# KiCad board EOutside.kicad_pcb
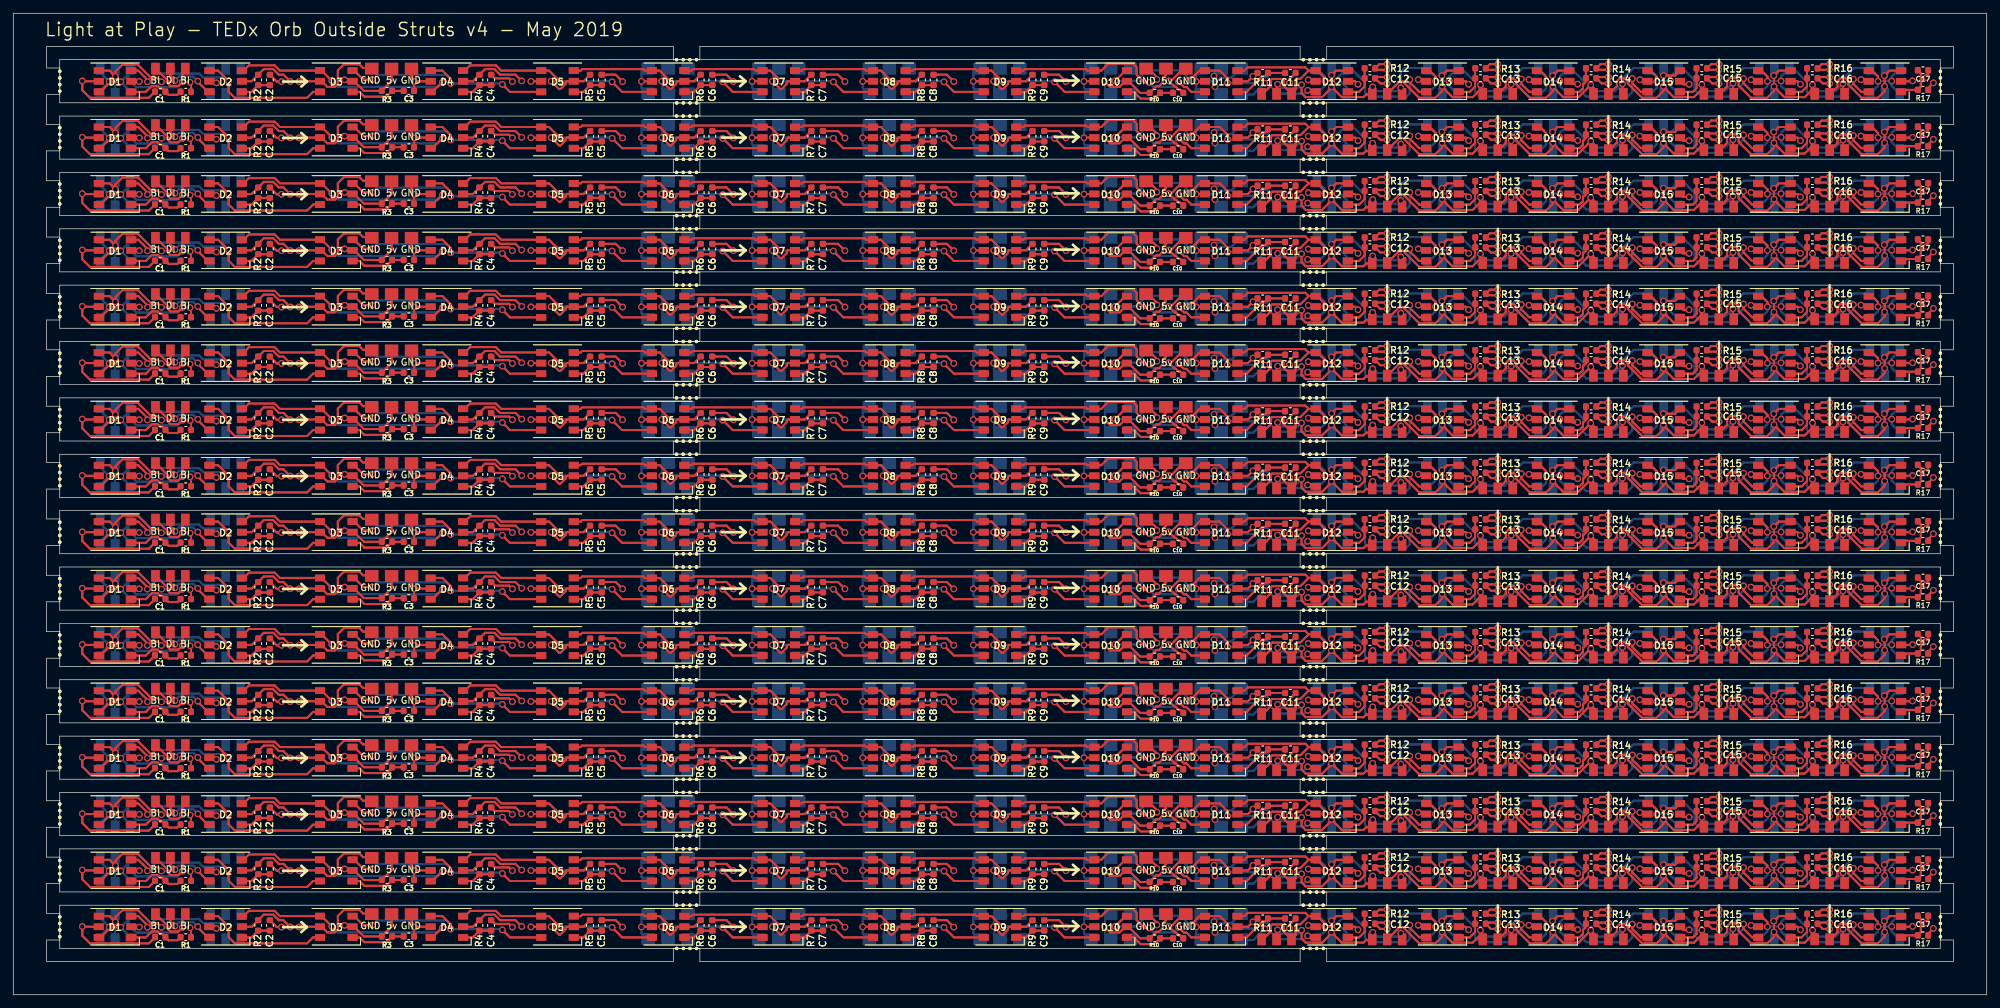
[diagram p0: board, top side]
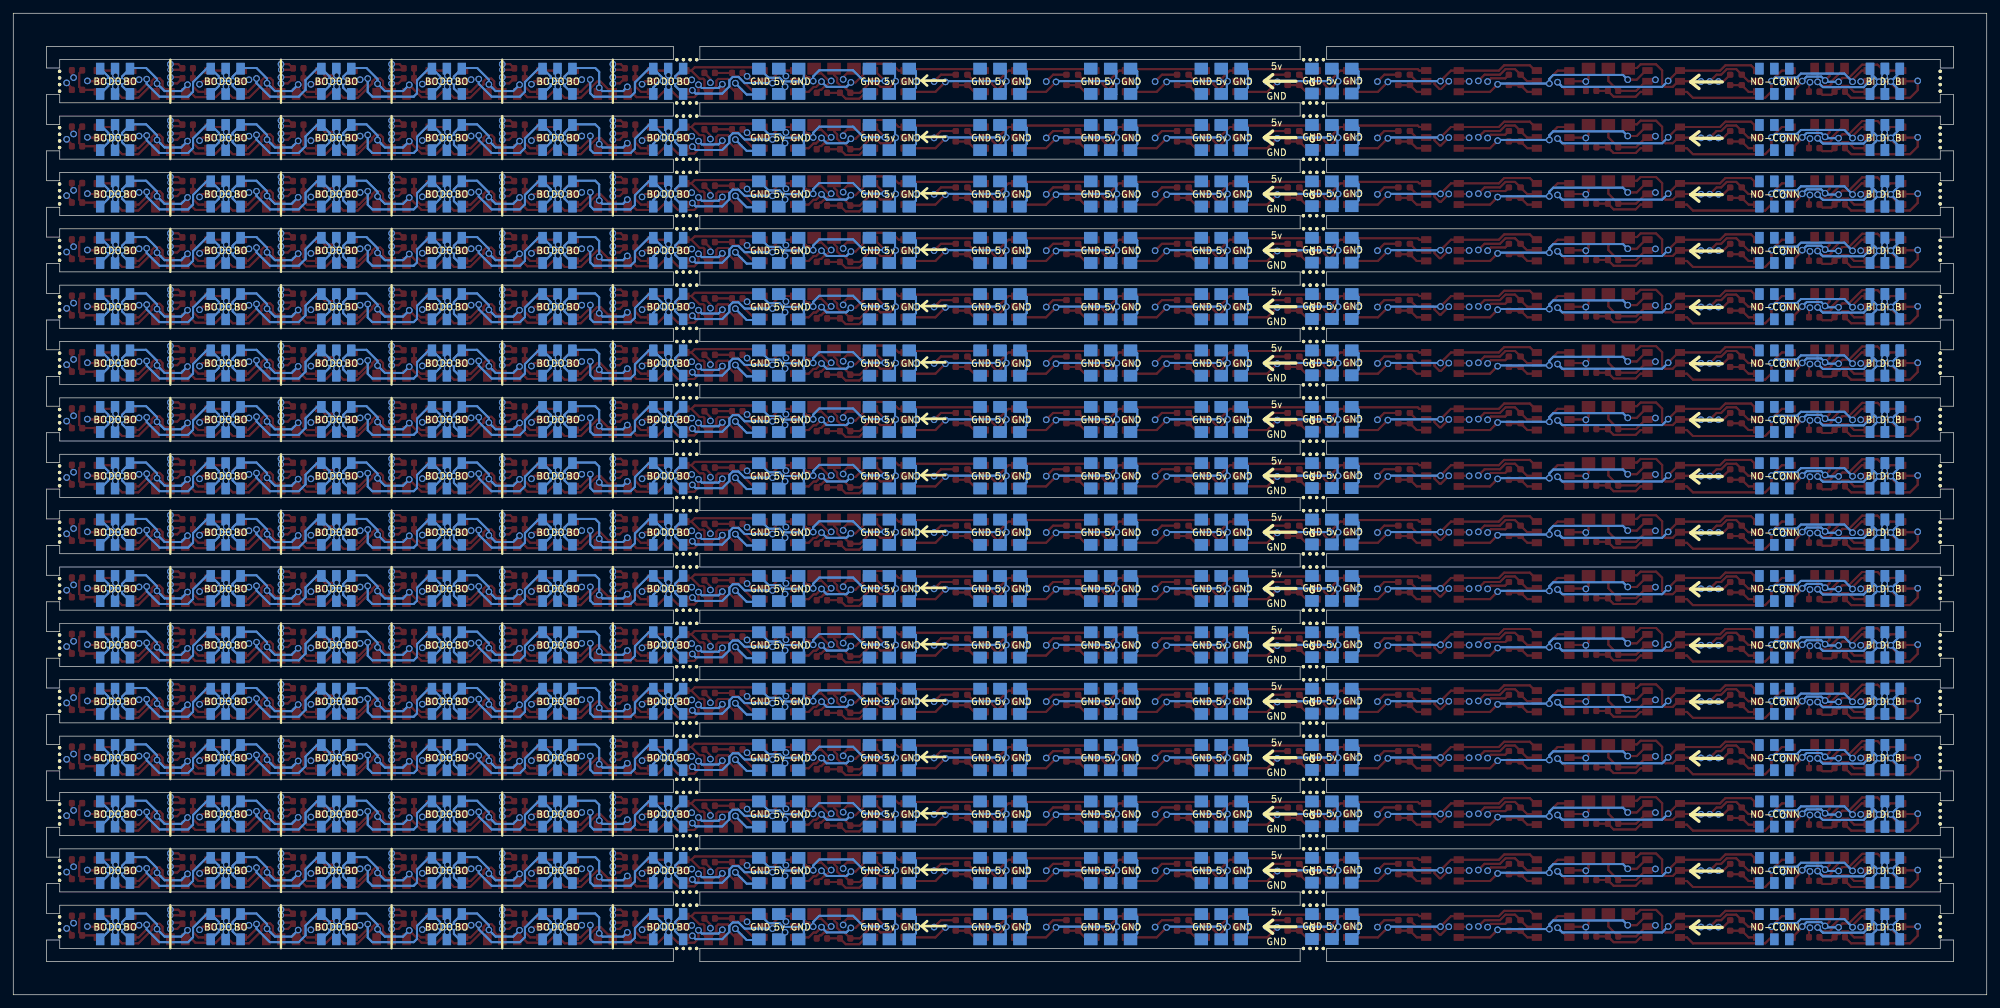
[diagram p1: board, bottom side, seen from below]

Outline 297.33 x 148 mm; copper layers: Top, In1.Cu (plane), In2.Cu (plane), Bottom. Coordinates in mm from the lower left corner of the outline.
Outline path: 0,148 0,0 297.33,0 297.33,148 0,148 ; 5,143 99.45,143 99.45,141 7,141 7,139.75 5,139.75 5,143 ; 5,135.75 7,135.75 7,134.5 99.45,134.5 99.45,132.5 7,132.5 7,131.25 5,131.25 5,135.75 ; 5,127.25 7,127.25 7,126 99.45,126 99.45,124 7,124 7,122.75 5,122.75 5,127.25 ; 5,118.75 7,118.75 7,117.5 99.45,117.5 99.45,115.5 7,115.5 7,114.25 5,114.25 5,118.75 ; 5,110.25 7,110.25 7,109 99.45,109 99.45,107 7,107 7,105.75 5,105.75 5,110.25 ; 5,101.75 7,101.75 7,100.5 99.45,100.5 99.45,98.5 7,98.5 7,97.25 5,97.25 5,101.75 ; 5,93.25 7,93.25 7,92 99.45,92 99.45,90 7,90 7,88.75 5,88.75 5,93.25 ; 5,84.75 7,84.75 7,83.5 99.45,83.5 99.45,81.5 7,81.5 7,80.25 5,80.25 5,84.75 ; 5,76.25 7,76.25 7,75 99.45,75 99.45,73 7,73 7,71.75 5,71.75 5,76.25 ; 5,67.75 7,67.75 7,66.5 99.45,66.5 99.45,64.5 7,64.5 7,63.25 5,63.25 5,67.75 ; 5,59.25 7,59.25 7,58 99.45,58 99.45,56 7,56 7,54.75 5,54.75 5,59.25 ; 5,50.75 7,50.75 7,49.5 99.45,49.5 99.45,47.5 7,47.5 7,46.25 5,46.25 5,50.75 ; 5,42.25 7,42.25 7,41 99.45,41 99.45,39 7,39 7,37.75 5,37.75 5,42.25 ; 5,33.75 7,33.75 7,32.5 99.45,32.5 99.45,30.5 7,30.5 7,29.25 5,29.25 5,33.75 ; 5,25.25 7,25.25 7,24 99.45,24 99.45,22 7,22 7,20.75 5,20.75 5,25.25 ; 5,16.75 7,16.75 7,15.5 99.45,15.5 99.45,13.5 7,13.5 7,12.25 5,12.25 5,16.75 ; 5,8.25 7,8.25 7,7 99.45,7 99.45,5 5,5 5,8.25 ; 103.45,143 193.89,143 193.89,141 103.45,141 103.45,143 ; 103.45,134.5 193.89,134.5 193.89,132.5 103.45,132.5 103.45,134.5 ; 103.45,126 193.89,126 193.89,124 103.45,124 103.45,126 ; 103.45,117.5 193.89,117.5 193.89,115.5 103.45,115.5 103.45,117.5 ; 103.45,109 193.89,109 193.89,107 103.45,107 103.45,109 ; 103.45,100.5 193.89,100.5 193.89,98.5 103.45,98.5 103.45,100.5 ; 103.45,92 193.89,92 193.89,90 103.45,90 103.45,92 ; 103.45,83.5 193.89,83.5 193.89,81.5 103.45,81.5 103.45,83.5 ; 103.45,75 193.89,75 193.89,73 103.45,73 103.45,75 ; 103.45,66.5 193.89,66.5 193.89,64.5 103.45,64.5 103.45,66.5 ; 103.45,58 193.89,58 193.89,56 103.45,56 103.45,58 ; 103.45,49.5 193.89,49.5 193.89,47.5 103.45,47.5 103.45,49.5 ; 103.45,41 193.89,41 193.89,39 103.45,39 103.45,41 ; 103.45,32.5 193.89,32.5 193.89,30.5 103.45,30.5 103.45,32.5 ; 103.45,24 193.89,24 193.89,22 103.45,22 103.45,24 ; 103.45,15.5 193.89,15.5 193.89,13.5 103.45,13.5 103.45,15.5 ; 103.45,7 193.89,7 193.89,5 103.45,5 103.45,7 ; 197.89,143 292.33,143 292.33,139.75 290.33,139.75 290.33,141 197.89,141 197.89,143 ; 197.89,134.5 290.33,134.5 290.33,135.75 292.33,135.75 292.33,131.25 290.33,131.25 290.33,132.5 197.89,132.5 197.89,134.5 ; 197.89,126 290.33,126 290.33,127.25 292.33,127.25 292.33,122.75 290.33,122.75 290.33,124 197.89,124 197.89,126 ; 197.89,117.5 290.33,117.5 290.33,118.75 292.33,118.75 292.33,114.25 290.33,114.25 290.33,115.5 197.89,115.5 197.89,117.5 ; 197.89,109 290.33,109 290.33,110.25 292.33,110.25 292.33,105.75 290.33,105.75 290.33,107 197.89,107 197.89,109 ; 197.89,100.5 290.33,100.5 290.33,101.75 292.33,101.75 292.33,97.25 290.33,97.25 290.33,98.5 197.89,98.5 197.89,100.5 ; 197.89,92 290.33,92 290.33,93.25 292.33,93.25 292.33,88.75 290.33,88.75 290.33,90 197.89,90 197.89,92 ; 197.89,83.5 290.33,83.5 290.33,84.75 292.33,84.75 292.33,80.25 290.33,80.25 290.33,81.5 197.89,81.5 197.89,83.5 ; 197.89,75 290.33,75 290.33,76.25 292.33,76.25 292.33,71.75 290.33,71.75 290.33,73 197.89,73 197.89,75 ; 197.89,66.5 290.33,66.5 290.33,67.75 292.33,67.75 292.33,63.25 290.33,63.25 290.33,64.5 197.89,64.5 197.89,66.5 ; 197.89,58 290.33,58 290.33,59.25 292.33,59.25 292.33,54.75 290.33,54.75 290.33,56 197.89,56 197.89,58 ; 197.89,49.5 290.33,49.5 290.33,50.75 292.33,50.75 292.33,46.25 290.33,46.25 290.33,47.5 197.89,47.5 197.89,49.5 ; 197.89,41 290.33,41 290.33,42.25 292.33,42.25 292.33,37.75 290.33,37.75 290.33,39 197.89,39 197.89,41 ; 197.89,32.5 290.33,32.5 290.33,33.75 292.33,33.75 292.33,29.25 290.33,29.25 290.33,30.5 197.89,30.5 197.89,32.5 ; 197.89,24 290.33,24 290.33,25.25 292.33,25.25 292.33,20.75 290.33,20.75 290.33,22 197.89,22 197.89,24 ; 197.89,15.5 290.33,15.5 290.33,16.75 292.33,16.75 292.33,12.25 290.33,12.25 290.33,13.5 197.89,13.5 197.89,15.5 ; 197.89,7 290.33,7 290.33,8.25 292.33,8.25 292.33,5 197.89,5 197.89,7

## Placement (name value [footprint] x y rotation side)
C1  .1uF  [C_0603_1608Metric]  22.14 136.18 180 top
C1#2  .1uF  [C_0603_1608Metric]  22.14 127.68 180 top
C1#3  .1uF  [C_0603_1608Metric]  22.14 119.18 180 top
C1#4  .1uF  [C_0603_1608Metric]  22.14 110.68 180 top
C1#5  .1uF  [C_0603_1608Metric]  22.14 119.18 180 top
C1#6  .1uF  [C_0603_1608Metric]  22.14 110.68 180 top
C1#7  .1uF  [C_0603_1608Metric]  22.14 136.18 180 top
C1#8  .1uF  [C_0603_1608Metric]  22.14 127.68 180 top
C1#9  .1uF  [C_0603_1608Metric]  22.14 85.18 180 top
C1#10  .1uF  [C_0603_1608Metric]  22.14 76.68 180 top
C1#11  .1uF  [C_0603_1608Metric]  22.14 102.18 180 top
C1#12  .1uF  [C_0603_1608Metric]  22.14 102.18 180 top
C1#13  .1uF  [C_0603_1608Metric]  22.14 76.68 180 top
C1#14  .1uF  [C_0603_1608Metric]  22.14 85.18 180 top
C1#15  .1uF  [C_0603_1608Metric]  22.14 93.68 180 top
C1#16  .1uF  [C_0603_1608Metric]  22.14 93.68 180 top
C1#17  .1uF  [C_0603_1608Metric]  22.14 59.68 180 top
C1#18  .1uF  [C_0603_1608Metric]  22.14 68.18 180 top
C1#19  .1uF  [C_0603_1608Metric]  22.14 42.68 180 top
C1#20  .1uF  [C_0603_1608Metric]  22.14 51.18 180 top
C1#21  .1uF  [C_0603_1608Metric]  22.14 68.18 180 top
C1#22  .1uF  [C_0603_1608Metric]  22.14 51.18 180 top
C1#23  .1uF  [C_0603_1608Metric]  22.14 42.68 180 top
C1#24  .1uF  [C_0603_1608Metric]  22.14 59.68 180 top
C1#25  .1uF  [C_0603_1608Metric]  22.14 8.68 180 top
C1#26  .1uF  [C_0603_1608Metric]  22.14 34.18 180 top
C1#27  .1uF  [C_0603_1608Metric]  22.14 8.68 180 top
C1#28  .1uF  [C_0603_1608Metric]  22.14 17.18 180 top
C1#29  .1uF  [C_0603_1608Metric]  22.14 25.68 180 top
C1#30  .1uF  [C_0603_1608Metric]  22.14 34.18 180 top
C1#31  .1uF  [C_0603_1608Metric]  22.14 17.18 180 top
C1#32  .1uF  [C_0603_1608Metric]  22.14 25.68 180 top
C2  .1uF  [C_0603_1608Metric]  38.66 137.95 90 top
C2#2  .1uF  [C_0603_1608Metric]  38.66 129.45 90 top
C2#3  .1uF  [C_0603_1608Metric]  38.66 112.45 90 top
C2#4  .1uF  [C_0603_1608Metric]  38.66 120.95 90 top
C2#5  .1uF  [C_0603_1608Metric]  38.66 112.45 90 top
C2#6  .1uF  [C_0603_1608Metric]  38.66 120.95 90 top
C2#7  .1uF  [C_0603_1608Metric]  38.66 129.45 90 top
C2#8  .1uF  [C_0603_1608Metric]  38.66 137.95 90 top
C2#9  .1uF  [C_0603_1608Metric]  38.66 78.45 90 top
C2#10  .1uF  [C_0603_1608Metric]  38.66 86.95 90 top
C2#11  .1uF  [C_0603_1608Metric]  38.66 78.45 90 top
C2#12  .1uF  [C_0603_1608Metric]  38.66 95.45 90 top
C2#13  .1uF  [C_0603_1608Metric]  38.66 103.95 90 top
C2#14  .1uF  [C_0603_1608Metric]  38.66 103.95 90 top
C2#15  .1uF  [C_0603_1608Metric]  38.66 95.45 90 top
C2#16  .1uF  [C_0603_1608Metric]  38.66 86.95 90 top
C2#17  .1uF  [C_0603_1608Metric]  38.66 44.45 90 top
C2#18  .1uF  [C_0603_1608Metric]  38.66 61.45 90 top
C2#19  .1uF  [C_0603_1608Metric]  38.66 69.95 90 top
C2#20  .1uF  [C_0603_1608Metric]  38.66 44.45 90 top
C2#21  .1uF  [C_0603_1608Metric]  38.66 69.95 90 top
C2#22  .1uF  [C_0603_1608Metric]  38.66 61.45 90 top
C2#23  .1uF  [C_0603_1608Metric]  38.66 52.95 90 top
C2#24  .1uF  [C_0603_1608Metric]  38.66 52.95 90 top
C2#25  .1uF  [C_0603_1608Metric]  38.66 35.95 90 top
C2#26  .1uF  [C_0603_1608Metric]  38.66 10.45 90 top
C2#27  .1uF  [C_0603_1608Metric]  38.66 18.95 90 top
C2#28  .1uF  [C_0603_1608Metric]  38.66 35.95 90 top
C2#29  .1uF  [C_0603_1608Metric]  38.66 27.45 90 top
C2#30  .1uF  [C_0603_1608Metric]  38.66 10.45 90 top
C2#31  .1uF  [C_0603_1608Metric]  38.66 27.45 90 top
C2#32  .1uF  [C_0603_1608Metric]  38.66 18.95 90 top
C3  .1uF  [C_0603_1608Metric]  59.6 136.3 0 top
C3#2  .1uF  [C_0603_1608Metric]  59.6 127.8 0 top
C3#3  .1uF  [C_0603_1608Metric]  59.6 110.8 0 top
C3#4  .1uF  [C_0603_1608Metric]  59.6 119.3 0 top
C3#5  .1uF  [C_0603_1608Metric]  59.6 110.8 0 top
C3#6  .1uF  [C_0603_1608Metric]  59.6 119.3 0 top
C3#7  .1uF  [C_0603_1608Metric]  59.6 127.8 0 top
C3#8  .1uF  [C_0603_1608Metric]  59.6 136.3 0 top
C3#9  .1uF  [C_0603_1608Metric]  59.6 76.8 0 top
C3#10  .1uF  [C_0603_1608Metric]  59.6 85.3 0 top
C3#11  .1uF  [C_0603_1608Metric]  59.6 76.8 0 top
C3#12  .1uF  [C_0603_1608Metric]  59.6 93.8 0 top
C3#13  .1uF  [C_0603_1608Metric]  59.6 102.3 0 top
C3#14  .1uF  [C_0603_1608Metric]  59.6 102.3 0 top
C3#15  .1uF  [C_0603_1608Metric]  59.6 93.8 0 top
C3#16  .1uF  [C_0603_1608Metric]  59.6 85.3 0 top
C3#17  .1uF  [C_0603_1608Metric]  59.6 42.8 0 top
C3#18  .1uF  [C_0603_1608Metric]  59.6 59.8 0 top
C3#19  .1uF  [C_0603_1608Metric]  59.6 68.3 0 top
C3#20  .1uF  [C_0603_1608Metric]  59.6 68.3 0 top
C3#21  .1uF  [C_0603_1608Metric]  59.6 59.8 0 top
C3#22  .1uF  [C_0603_1608Metric]  59.6 42.8 0 top
C3#23  .1uF  [C_0603_1608Metric]  59.6 51.3 0 top
C3#24  .1uF  [C_0603_1608Metric]  59.6 51.3 0 top
C3#25  .1uF  [C_0603_1608Metric]  59.6 34.3 0 top
C3#26  .1uF  [C_0603_1608Metric]  59.6 8.8 0 top
C3#27  .1uF  [C_0603_1608Metric]  59.6 17.3 0 top
C3#28  .1uF  [C_0603_1608Metric]  59.6 25.8 0 top
C3#29  .1uF  [C_0603_1608Metric]  59.6 25.8 0 top
C3#30  .1uF  [C_0603_1608Metric]  59.6 34.3 0 top
C3#31  .1uF  [C_0603_1608Metric]  59.6 8.8 0 top
C3#32  .1uF  [C_0603_1608Metric]  59.6 17.3 0 top
C4  .1uF  [C_0603_1608Metric]  71.99 137.95 90 top
C4#2  .1uF  [C_0603_1608Metric]  71.99 129.45 90 top
C4#3  .1uF  [C_0603_1608Metric]  71.99 112.45 90 top
C4#4  .1uF  [C_0603_1608Metric]  71.99 120.95 90 top
C4#5  .1uF  [C_0603_1608Metric]  71.99 112.45 90 top
C4#6  .1uF  [C_0603_1608Metric]  71.99 120.95 90 top
C4#7  .1uF  [C_0603_1608Metric]  71.99 129.45 90 top
C4#8  .1uF  [C_0603_1608Metric]  71.99 137.95 90 top
C4#9  .1uF  [C_0603_1608Metric]  71.99 78.45 90 top
C4#10  .1uF  [C_0603_1608Metric]  71.99 86.95 90 top
C4#11  .1uF  [C_0603_1608Metric]  71.99 78.45 90 top
C4#12  .1uF  [C_0603_1608Metric]  71.99 95.45 90 top
C4#13  .1uF  [C_0603_1608Metric]  71.99 103.95 90 top
C4#14  .1uF  [C_0603_1608Metric]  71.99 103.95 90 top
C4#15  .1uF  [C_0603_1608Metric]  71.99 95.45 90 top
C4#16  .1uF  [C_0603_1608Metric]  71.99 86.95 90 top
C4#17  .1uF  [C_0603_1608Metric]  71.99 44.45 90 top
C4#18  .1uF  [C_0603_1608Metric]  71.99 61.45 90 top
C4#19  .1uF  [C_0603_1608Metric]  71.99 69.95 90 top
C4#20  .1uF  [C_0603_1608Metric]  71.99 69.95 90 top
C4#21  .1uF  [C_0603_1608Metric]  71.99 61.45 90 top
C4#22  .1uF  [C_0603_1608Metric]  71.99 52.95 90 top
C4#23  .1uF  [C_0603_1608Metric]  71.99 44.45 90 top
C4#24  .1uF  [C_0603_1608Metric]  71.99 52.95 90 top
C4#25  .1uF  [C_0603_1608Metric]  71.99 35.95 90 top
C4#26  .1uF  [C_0603_1608Metric]  71.99 27.45 90 top
C4#27  .1uF  [C_0603_1608Metric]  71.99 10.45 90 top
C4#28  .1uF  [C_0603_1608Metric]  71.99 18.95 90 top
C4#29  .1uF  [C_0603_1608Metric]  71.99 27.45 90 top
C4#30  .1uF  [C_0603_1608Metric]  71.99 35.95 90 top
C4#31  .1uF  [C_0603_1608Metric]  71.99 18.95 90 top
C4#32  .1uF  [C_0603_1608Metric]  71.99 10.45 90 top
C5  .1uF  [C_0603_1608Metric]  88.66 137.95 90 top
C5#2  .1uF  [C_0603_1608Metric]  88.66 129.45 90 top
C5#3  .1uF  [C_0603_1608Metric]  88.66 112.45 90 top
C5#4  .1uF  [C_0603_1608Metric]  88.66 120.95 90 top
C5#5  .1uF  [C_0603_1608Metric]  88.66 112.45 90 top
C5#6  .1uF  [C_0603_1608Metric]  88.66 120.95 90 top
C5#7  .1uF  [C_0603_1608Metric]  88.66 129.45 90 top
C5#8  .1uF  [C_0603_1608Metric]  88.66 137.95 90 top
C5#9  .1uF  [C_0603_1608Metric]  88.66 78.45 90 top
C5#10  .1uF  [C_0603_1608Metric]  88.66 86.95 90 top
C5#11  .1uF  [C_0603_1608Metric]  88.66 78.45 90 top
C5#12  .1uF  [C_0603_1608Metric]  88.66 95.45 90 top
C5#13  .1uF  [C_0603_1608Metric]  88.66 103.95 90 top
C5#14  .1uF  [C_0603_1608Metric]  88.66 95.45 90 top
C5#15  .1uF  [C_0603_1608Metric]  88.66 103.95 90 top
C5#16  .1uF  [C_0603_1608Metric]  88.66 86.95 90 top
C5#17  .1uF  [C_0603_1608Metric]  88.66 61.45 90 top
C5#18  .1uF  [C_0603_1608Metric]  88.66 44.45 90 top
C5#19  .1uF  [C_0603_1608Metric]  88.66 61.45 90 top
C5#20  .1uF  [C_0603_1608Metric]  88.66 69.95 90 top
C5#21  .1uF  [C_0603_1608Metric]  88.66 69.95 90 top
C5#22  .1uF  [C_0603_1608Metric]  88.66 52.95 90 top
C5#23  .1uF  [C_0603_1608Metric]  88.66 52.95 90 top
C5#24  .1uF  [C_0603_1608Metric]  88.66 44.45 90 top
C5#25  .1uF  [C_0603_1608Metric]  88.66 10.45 90 top
C5#26  .1uF  [C_0603_1608Metric]  88.66 35.95 90 top
C5#27  .1uF  [C_0603_1608Metric]  88.66 27.45 90 top
C5#28  .1uF  [C_0603_1608Metric]  88.66 27.45 90 top
C5#29  .1uF  [C_0603_1608Metric]  88.66 18.95 90 top
C5#30  .1uF  [C_0603_1608Metric]  88.66 35.95 90 top
C5#31  .1uF  [C_0603_1608Metric]  88.66 10.45 90 top
C5#32  .1uF  [C_0603_1608Metric]  88.66 18.95 90 top
C6  .1uF  [C_0603_1608Metric]  105.33 137.95 90 top
C6#2  .1uF  [C_0603_1608Metric]  105.33 129.45 90 top
C6#3  .1uF  [C_0603_1608Metric]  105.33 120.95 90 top
C6#4  .1uF  [C_0603_1608Metric]  105.33 112.45 90 top
C6#5  .1uF  [C_0603_1608Metric]  105.33 120.95 90 top
C6#6  .1uF  [C_0603_1608Metric]  105.33 112.45 90 top
C6#7  .1uF  [C_0603_1608Metric]  105.33 137.95 90 top
C6#8  .1uF  [C_0603_1608Metric]  105.33 129.45 90 top
C6#9  .1uF  [C_0603_1608Metric]  105.33 86.95 90 top
C6#10  .1uF  [C_0603_1608Metric]  105.33 78.45 90 top
C6#11  .1uF  [C_0603_1608Metric]  105.33 78.45 90 top
C6#12  .1uF  [C_0603_1608Metric]  105.33 103.95 90 top
C6#13  .1uF  [C_0603_1608Metric]  105.33 103.95 90 top
C6#14  .1uF  [C_0603_1608Metric]  105.33 95.45 90 top
C6#15  .1uF  [C_0603_1608Metric]  105.33 86.95 90 top
C6#16  .1uF  [C_0603_1608Metric]  105.33 95.45 90 top
C6#17  .1uF  [C_0603_1608Metric]  105.33 44.45 90 top
C6#18  .1uF  [C_0603_1608Metric]  105.33 69.95 90 top
C6#19  .1uF  [C_0603_1608Metric]  105.33 61.45 90 top
C6#20  .1uF  [C_0603_1608Metric]  105.33 61.45 90 top
C6#21  .1uF  [C_0603_1608Metric]  105.33 69.95 90 top
C6#22  .1uF  [C_0603_1608Metric]  105.33 52.95 90 top
C6#23  .1uF  [C_0603_1608Metric]  105.33 52.95 90 top
C6#24  .1uF  [C_0603_1608Metric]  105.33 44.45 90 top
C6#25  .1uF  [C_0603_1608Metric]  105.33 10.45 90 top
C6#26  .1uF  [C_0603_1608Metric]  105.33 27.45 90 top
C6#27  .1uF  [C_0603_1608Metric]  105.33 10.45 90 top
C6#28  .1uF  [C_0603_1608Metric]  105.33 35.95 90 top
C6#29  .1uF  [C_0603_1608Metric]  105.33 27.45 90 top
C6#30  .1uF  [C_0603_1608Metric]  105.33 18.95 90 top
C6#31  .1uF  [C_0603_1608Metric]  105.33 35.95 90 top
C6#32  .1uF  [C_0603_1608Metric]  105.33 18.95 90 top
C7  .1uF  [C_0603_1608Metric]  121.99 137.95 90 top
C7#2  .1uF  [C_0603_1608Metric]  121.99 129.45 90 top
C7#3  .1uF  [C_0603_1608Metric]  121.99 120.95 90 top
C7#4  .1uF  [C_0603_1608Metric]  121.99 112.45 90 top
C7#5  .1uF  [C_0603_1608Metric]  121.99 120.95 90 top
C7#6  .1uF  [C_0603_1608Metric]  121.99 112.45 90 top
C7#7  .1uF  [C_0603_1608Metric]  121.99 137.95 90 top
C7#8  .1uF  [C_0603_1608Metric]  121.99 129.45 90 top
C7#9  .1uF  [C_0603_1608Metric]  121.99 86.95 90 top
C7#10  .1uF  [C_0603_1608Metric]  121.99 78.45 90 top
C7#11  .1uF  [C_0603_1608Metric]  121.99 78.45 90 top
C7#12  .1uF  [C_0603_1608Metric]  121.99 103.95 90 top
C7#13  .1uF  [C_0603_1608Metric]  121.99 103.95 90 top
C7#14  .1uF  [C_0603_1608Metric]  121.99 95.45 90 top
C7#15  .1uF  [C_0603_1608Metric]  121.99 86.95 90 top
C7#16  .1uF  [C_0603_1608Metric]  121.99 95.45 90 top
C7#17  .1uF  [C_0603_1608Metric]  121.99 44.45 90 top
C7#18  .1uF  [C_0603_1608Metric]  121.99 69.95 90 top
C7#19  .1uF  [C_0603_1608Metric]  121.99 44.45 90 top
C7#20  .1uF  [C_0603_1608Metric]  121.99 61.45 90 top
C7#21  .1uF  [C_0603_1608Metric]  121.99 61.45 90 top
C7#22  .1uF  [C_0603_1608Metric]  121.99 69.95 90 top
C7#23  .1uF  [C_0603_1608Metric]  121.99 52.95 90 top
C7#24  .1uF  [C_0603_1608Metric]  121.99 52.95 90 top
C7#25  .1uF  [C_0603_1608Metric]  121.99 10.45 90 top
C7#26  .1uF  [C_0603_1608Metric]  121.99 27.45 90 top
C7#27  .1uF  [C_0603_1608Metric]  121.99 10.45 90 top
C7#28  .1uF  [C_0603_1608Metric]  121.99 35.95 90 top
C7#29  .1uF  [C_0603_1608Metric]  121.99 27.45 90 top
C7#30  .1uF  [C_0603_1608Metric]  121.99 18.95 90 top
C7#31  .1uF  [C_0603_1608Metric]  121.99 35.95 90 top
C7#32  .1uF  [C_0603_1608Metric]  121.99 18.95 90 top
C8  .1uF  [C_0603_1608Metric]  138.66 137.95 90 top
C8#2  .1uF  [C_0603_1608Metric]  138.66 129.45 90 top
C8#3  .1uF  [C_0603_1608Metric]  138.66 120.95 90 top
C8#4  .1uF  [C_0603_1608Metric]  138.66 112.45 90 top
C8#5  .1uF  [C_0603_1608Metric]  138.66 120.95 90 top
C8#6  .1uF  [C_0603_1608Metric]  138.66 112.45 90 top
C8#7  .1uF  [C_0603_1608Metric]  138.66 137.95 90 top
C8#8  .1uF  [C_0603_1608Metric]  138.66 129.45 90 top
C8#9  .1uF  [C_0603_1608Metric]  138.66 86.95 90 top
C8#10  .1uF  [C_0603_1608Metric]  138.66 78.45 90 top
C8#11  .1uF  [C_0603_1608Metric]  138.66 78.45 90 top
C8#12  .1uF  [C_0603_1608Metric]  138.66 103.95 90 top
C8#13  .1uF  [C_0603_1608Metric]  138.66 103.95 90 top
C8#14  .1uF  [C_0603_1608Metric]  138.66 95.45 90 top
C8#15  .1uF  [C_0603_1608Metric]  138.66 86.95 90 top
C8#16  .1uF  [C_0603_1608Metric]  138.66 95.45 90 top
C8#17  .1uF  [C_0603_1608Metric]  138.66 52.95 90 top
C8#18  .1uF  [C_0603_1608Metric]  138.66 44.45 90 top
C8#19  .1uF  [C_0603_1608Metric]  138.66 69.95 90 top
C8#20  .1uF  [C_0603_1608Metric]  138.66 61.45 90 top
C8#21  .1uF  [C_0603_1608Metric]  138.66 69.95 90 top
C8#22  .1uF  [C_0603_1608Metric]  138.66 52.95 90 top
C8#23  .1uF  [C_0603_1608Metric]  138.66 61.45 90 top
C8#24  .1uF  [C_0603_1608Metric]  138.66 44.45 90 top
C8#25  .1uF  [C_0603_1608Metric]  138.66 10.45 90 top
C8#26  .1uF  [C_0603_1608Metric]  138.66 27.45 90 top
C8#27  .1uF  [C_0603_1608Metric]  138.66 10.45 90 top
C8#28  .1uF  [C_0603_1608Metric]  138.66 18.95 90 top
C8#29  .1uF  [C_0603_1608Metric]  138.66 35.95 90 top
C8#30  .1uF  [C_0603_1608Metric]  138.66 27.45 90 top
C8#31  .1uF  [C_0603_1608Metric]  138.66 35.95 90 top
C8#32  .1uF  [C_0603_1608Metric]  138.66 18.95 90 top
C9  .1uF  [C_0603_1608Metric]  155.33 137.95 90 top
C9#2  .1uF  [C_0603_1608Metric]  155.33 129.45 90 top
C9#3  .1uF  [C_0603_1608Metric]  155.33 120.95 90 top
C9#4  .1uF  [C_0603_1608Metric]  155.33 112.45 90 top
C9#5  .1uF  [C_0603_1608Metric]  155.33 120.95 90 top
C9#6  .1uF  [C_0603_1608Metric]  155.33 112.45 90 top
C9#7  .1uF  [C_0603_1608Metric]  155.33 137.95 90 top
C9#8  .1uF  [C_0603_1608Metric]  155.33 129.45 90 top
C9#9  .1uF  [C_0603_1608Metric]  155.33 86.95 90 top
C9#10  .1uF  [C_0603_1608Metric]  155.33 78.45 90 top
C9#11  .1uF  [C_0603_1608Metric]  155.33 78.45 90 top
C9#12  .1uF  [C_0603_1608Metric]  155.33 103.95 90 top
C9#13  .1uF  [C_0603_1608Metric]  155.33 103.95 90 top
C9#14  .1uF  [C_0603_1608Metric]  155.33 95.45 90 top
C9#15  .1uF  [C_0603_1608Metric]  155.33 86.95 90 top
C9#16  .1uF  [C_0603_1608Metric]  155.33 95.45 90 top
C9#17  .1uF  [C_0603_1608Metric]  155.33 52.95 90 top
C9#18  .1uF  [C_0603_1608Metric]  155.33 44.45 90 top
C9#19  .1uF  [C_0603_1608Metric]  155.33 69.95 90 top
C9#20  .1uF  [C_0603_1608Metric]  155.33 61.45 90 top
C9#21  .1uF  [C_0603_1608Metric]  155.33 69.95 90 top
C9#22  .1uF  [C_0603_1608Metric]  155.33 52.95 90 top
C9#23  .1uF  [C_0603_1608Metric]  155.33 61.45 90 top
C9#24  .1uF  [C_0603_1608Metric]  155.33 44.45 90 top
C9#25  .1uF  [C_0603_1608Metric]  155.33 10.45 90 top
C9#26  .1uF  [C_0603_1608Metric]  155.33 27.45 90 top
C9#27  .1uF  [C_0603_1608Metric]  155.33 10.45 90 top
C9#28  .1uF  [C_0603_1608Metric]  155.33 18.95 90 top
C9#29  .1uF  [C_0603_1608Metric]  155.33 35.95 90 top
C9#30  .1uF  [C_0603_1608Metric]  155.33 35.95 90 top
C9#31  .1uF  [C_0603_1608Metric]  155.33 18.95 90 top
C9#32  .1uF  [C_0603_1608Metric]  155.33 27.45 90 top
C10  .1uF  [C_0603_1608Metric]  175.5 136 0 top
C10#2  .1uF  [C_0603_1608Metric]  175.5 127.5 0 top
C10#3  .1uF  [C_0603_1608Metric]  175.5 119 0 top
C10#4  .1uF  [C_0603_1608Metric]  175.5 110.5 0 top
C10#5  .1uF  [C_0603_1608Metric]  175.5 119 0 top
C10#6  .1uF  [C_0603_1608Metric]  175.5 136 0 top
C10#7  .1uF  [C_0603_1608Metric]  175.5 127.5 0 top
C10#8  .1uF  [C_0603_1608Metric]  175.5 110.5 0 top
C10#9  .1uF  [C_0603_1608Metric]  175.5 85 0 top
C10#10  .1uF  [C_0603_1608Metric]  175.5 102 0 top
C10#11  .1uF  [C_0603_1608Metric]  175.5 93.5 0 top
C10#12  .1uF  [C_0603_1608Metric]  175.5 76.5 0 top
C10#13  .1uF  [C_0603_1608Metric]  175.5 102 0 top
C10#14  .1uF  [C_0603_1608Metric]  175.5 93.5 0 top
C10#15  .1uF  [C_0603_1608Metric]  175.5 85 0 top
C10#16  .1uF  [C_0603_1608Metric]  175.5 76.5 0 top
C10#17  .1uF  [C_0603_1608Metric]  175.5 59.5 0 top
C10#18  .1uF  [C_0603_1608Metric]  175.5 51 0 top
C10#19  .1uF  [C_0603_1608Metric]  175.5 68 0 top
C10#20  .1uF  [C_0603_1608Metric]  175.5 42.5 0 top
C10#21  .1uF  [C_0603_1608Metric]  175.5 59.5 0 top
C10#22  .1uF  [C_0603_1608Metric]  175.5 68 0 top
C10#23  .1uF  [C_0603_1608Metric]  175.5 51 0 top
C10#24  .1uF  [C_0603_1608Metric]  175.5 42.5 0 top
C10#25  .1uF  [C_0603_1608Metric]  175.5 8.5 0 top
C10#26  .1uF  [C_0603_1608Metric]  175.5 8.5 0 top
C10#27  .1uF  [C_0603_1608Metric]  175.5 25.5 0 top
C10#28  .1uF  [C_0603_1608Metric]  175.5 17 0 top
C10#29  .1uF  [C_0603_1608Metric]  175.5 34 0 top
C10#30  .1uF  [C_0603_1608Metric]  175.5 25.5 0 top
C10#31  .1uF  [C_0603_1608Metric]  175.5 34 0 top
C10#32  .1uF  [C_0603_1608Metric]  175.5 17 0 top
C11  .1uF  [C_0603_1608Metric]  192.42 139 0 top
C11#2  .1uF  [C_0603_1608Metric]  192.42 130.5 0 top
C11#3  .1uF  [C_0603_1608Metric]  192.42 122 0 top
C11#4  .1uF  [C_0603_1608Metric]  192.42 113.5 0 top
C11#5  .1uF  [C_0603_1608Metric]  192.42 122 0 top
C11#6  .1uF  [C_0603_1608Metric]  192.42 113.5 0 top
C11#7  .1uF  [C_0603_1608Metric]  192.42 139 0 top
C11#8  .1uF  [C_0603_1608Metric]  192.42 130.5 0 top
C11#9  .1uF  [C_0603_1608Metric]  192.42 88 0 top
C11#10  .1uF  [C_0603_1608Metric]  192.42 79.5 0 top
C11#11  .1uF  [C_0603_1608Metric]  192.42 79.5 0 top
C11#12  .1uF  [C_0603_1608Metric]  192.42 105 0 top
C11#13  .1uF  [C_0603_1608Metric]  192.42 105 0 top
C11#14  .1uF  [C_0603_1608Metric]  192.42 88 0 top
C11#15  .1uF  [C_0603_1608Metric]  192.42 96.5 0 top
C11#16  .1uF  [C_0603_1608Metric]  192.42 96.5 0 top
C11#17  .1uF  [C_0603_1608Metric]  192.42 54 0 top
C11#18  .1uF  [C_0603_1608Metric]  192.42 45.5 0 top
C11#19  .1uF  [C_0603_1608Metric]  192.42 71 0 top
C11#20  .1uF  [C_0603_1608Metric]  192.42 45.5 0 top
C11#21  .1uF  [C_0603_1608Metric]  192.42 62.5 0 top
C11#22  .1uF  [C_0603_1608Metric]  192.42 54 0 top
C11#23  .1uF  [C_0603_1608Metric]  192.42 71 0 top
C11#24  .1uF  [C_0603_1608Metric]  192.42 62.5 0 top
C11#25  .1uF  [C_0603_1608Metric]  192.42 11.5 0 top
C11#26  .1uF  [C_0603_1608Metric]  192.42 28.5 0 top
C11#27  .1uF  [C_0603_1608Metric]  192.42 11.5 0 top
C11#28  .1uF  [C_0603_1608Metric]  192.42 20 0 top
C11#29  .1uF  [C_0603_1608Metric]  192.42 37 0 top
C11#30  .1uF  [C_0603_1608Metric]  192.42 28.5 0 top
C11#31  .1uF  [C_0603_1608Metric]  192.42 20 0 top
C11#32  .1uF  [C_0603_1608Metric]  192.42 37 0 top
C12  .1uF  [C_0603_1608Metric]  204.4 138.2 0 top
C12#2  .1uF  [C_0603_1608Metric]  204.4 129.7 0 top
C12#3  .1uF  [C_0603_1608Metric]  204.4 121.2 0 top
C12#4  .1uF  [C_0603_1608Metric]  204.4 112.7 0 top
C12#5  .1uF  [C_0603_1608Metric]  204.4 121.2 0 top
C12#6  .1uF  [C_0603_1608Metric]  204.4 112.7 0 top
C12#7  .1uF  [C_0603_1608Metric]  204.4 138.2 0 top
C12#8  .1uF  [C_0603_1608Metric]  204.4 129.7 0 top
C12#9  .1uF  [C_0603_1608Metric]  204.4 87.2 0 top
C12#10  .1uF  [C_0603_1608Metric]  204.4 78.7 0 top
C12#11  .1uF  [C_0603_1608Metric]  204.4 78.7 0 top
C12#12  .1uF  [C_0603_1608Metric]  204.4 104.2 0 top
C12#13  .1uF  [C_0603_1608Metric]  204.4 104.2 0 top
C12#14  .1uF  [C_0603_1608Metric]  204.4 87.2 0 top
C12#15  .1uF  [C_0603_1608Metric]  204.4 95.7 0 top
C12#16  .1uF  [C_0603_1608Metric]  204.4 95.7 0 top
C12#17  .1uF  [C_0603_1608Metric]  204.4 53.2 0 top
C12#18  .1uF  [C_0603_1608Metric]  204.4 44.7 0 top
C12#19  .1uF  [C_0603_1608Metric]  204.4 70.2 0 top
C12#20  .1uF  [C_0603_1608Metric]  204.4 44.7 0 top
C12#21  .1uF  [C_0603_1608Metric]  204.4 61.7 0 top
C12#22  .1uF  [C_0603_1608Metric]  204.4 70.2 0 top
C12#23  .1uF  [C_0603_1608Metric]  204.4 53.2 0 top
C12#24  .1uF  [C_0603_1608Metric]  204.4 61.7 0 top
C12#25  .1uF  [C_0603_1608Metric]  204.4 10.7 0 top
C12#26  .1uF  [C_0603_1608Metric]  204.4 27.7 0 top
C12#27  .1uF  [C_0603_1608Metric]  204.4 10.7 0 top
C12#28  .1uF  [C_0603_1608Metric]  204.4 19.2 0 top
C12#29  .1uF  [C_0603_1608Metric]  204.4 36.2 0 top
C12#30  .1uF  [C_0603_1608Metric]  204.4 19.2 0 top
C12#31  .1uF  [C_0603_1608Metric]  204.4 27.7 0 top
C12#32  .1uF  [C_0603_1608Metric]  204.4 36.2 0 top
C13  .1uF  [C_0603_1608Metric]  221.06 138.2 0 top
C13#2  .1uF  [C_0603_1608Metric]  221.06 129.7 0 top
C13#3  .1uF  [C_0603_1608Metric]  221.06 121.2 0 top
C13#4  .1uF  [C_0603_1608Metric]  221.06 112.7 0 top
C13#5  .1uF  [C_0603_1608Metric]  221.06 121.2 0 top
C13#6  .1uF  [C_0603_1608Metric]  221.06 112.7 0 top
C13#7  .1uF  [C_0603_1608Metric]  221.06 138.2 0 top
C13#8  .1uF  [C_0603_1608Metric]  221.06 129.7 0 top
C13#9  .1uF  [C_0603_1608Metric]  221.06 87.2 0 top
C13#10  .1uF  [C_0603_1608Metric]  221.06 78.7 0 top
C13#11  .1uF  [C_0603_1608Metric]  221.06 104.2 0 top
C13#12  .1uF  [C_0603_1608Metric]  221.06 104.2 0 top
C13#13  .1uF  [C_0603_1608Metric]  221.06 87.2 0 top